# KiCad board CPU.kicad_pcb (continued)
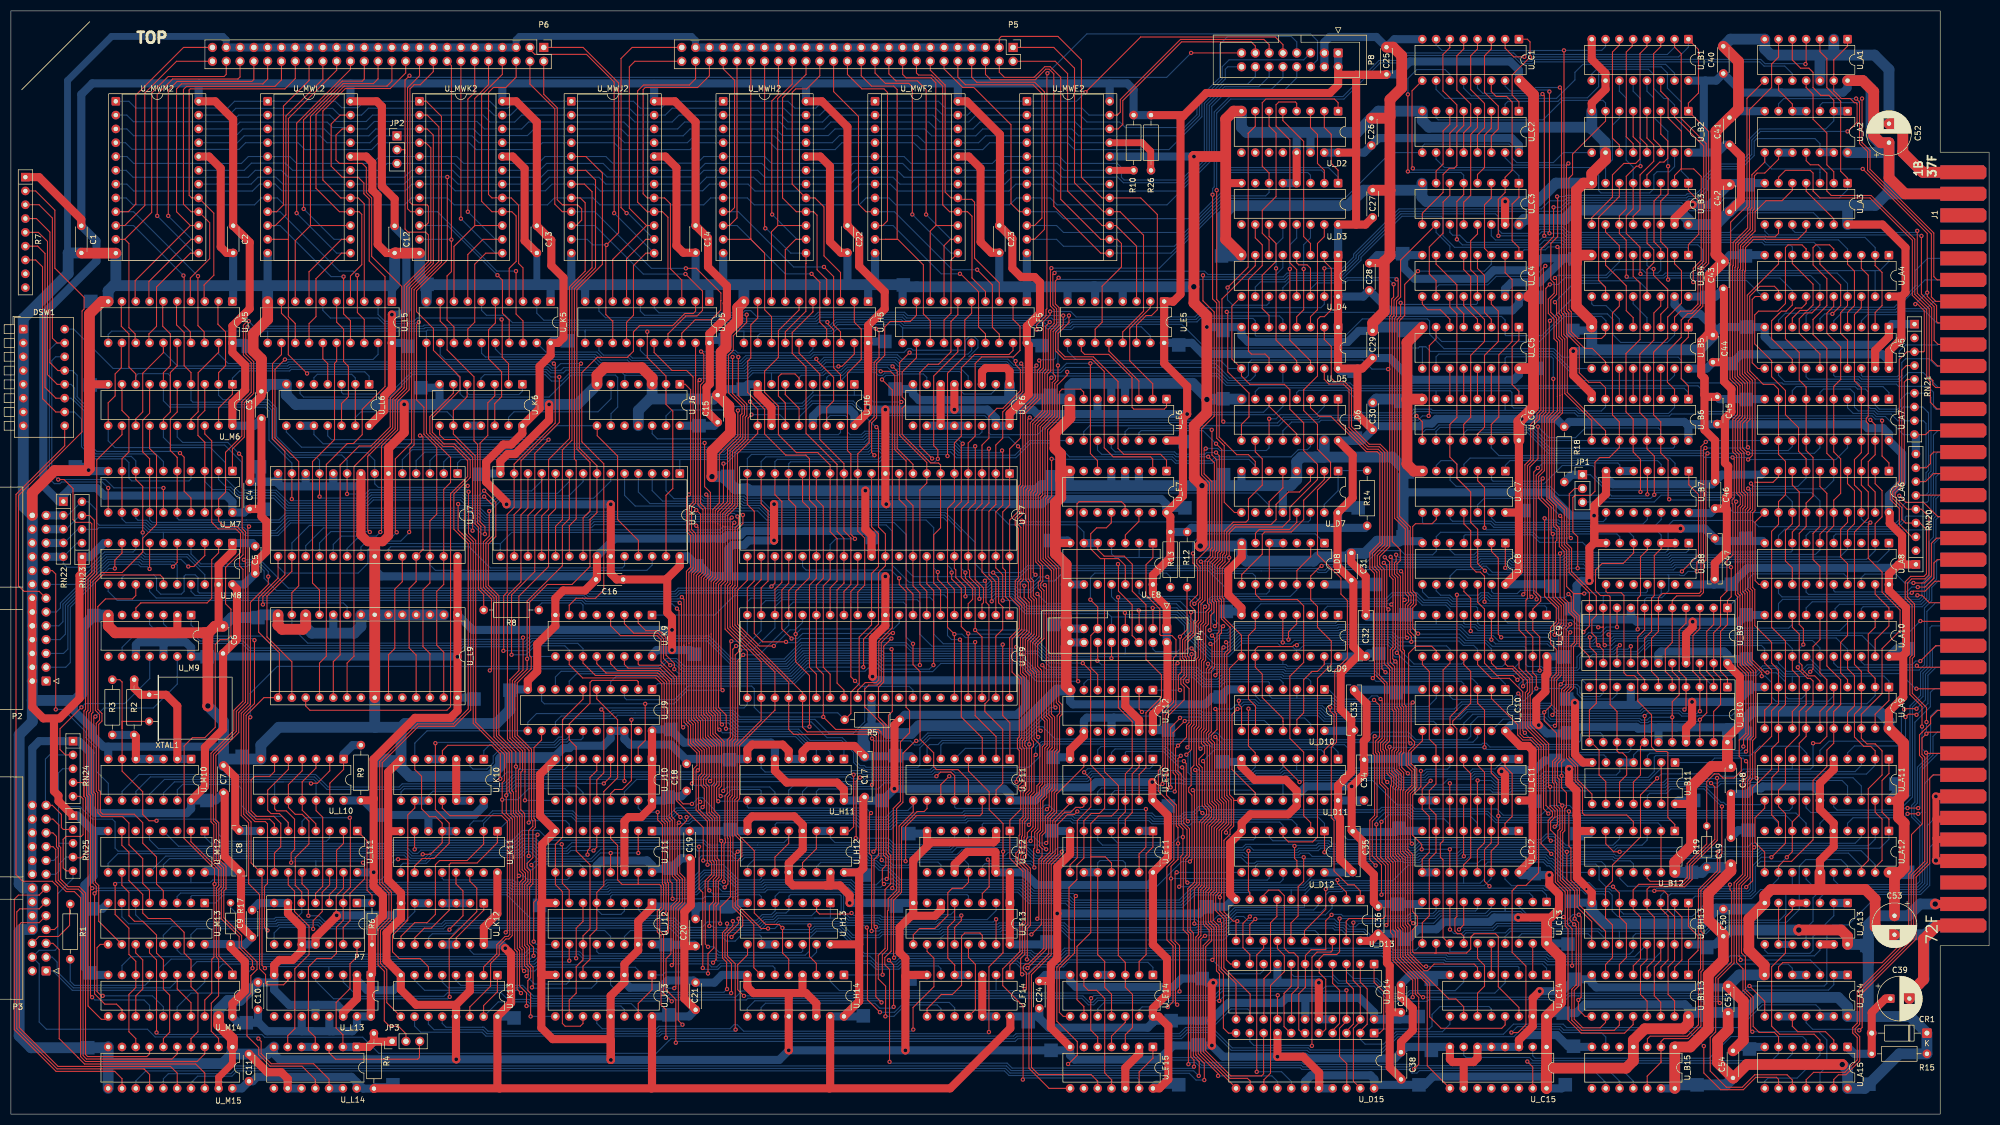
[diagram p0: board, top side]
## Routing (per net, layer and track width the routed paths; a pad name or vN(x,y) marks a point on that pad's centre or on a via; arc(x,y) is an arc through that point) (continued)
/~{Reg_OE}: length 130.9
  Top w0.2: U_D4.2 241.67,156.91 242.95,155.63 242.95,148.01 241.68,146.74 240.92,146.74 240.41,146.23 240.41,135.81 237.87,133.27 237.87,129.46 240.41,126.92 240.41,122.35 242.82,119.94 242.82,117.26 240.41,114.85 240.41,102.95 244.73,98.63 244.73,95.68 245.91,94.5 245.91,83.95 243.59,81.62 243.59,74 243.92,73.67 243.92,68.45 242.95,67.49 242.95,54.53 243.46,54.03 243.46,44.76 246.03,42.19 247.17,42.19 248.29,41.07 248.29,39.93
/~{REGF.WE}: length 142.2
  Top w0.2: v1(245.75,22.79) 245.81,22.73 245.81,17.13 244.48,15.8 244.48,10.59 245.81,9.26 245.81,4.74 ; v1(134.88,21.76) 133.73,22.9 133.73,27.48 135.55,29.3 U_H13.8
  Bottom w0.2: v1(134.88,21.76) 134.89,21.77 197.25,21.77 198.45,20.57 199.07,20.57 199.87,21.37 221.62,21.37 222.87,22.62 245.58,22.62 v1(245.75,22.79)
/~{Reset_{1}}: length 399.6
  Top w0.2: U_J7.15 49.17,98.63 45.6,95.05 45.6,88.69 49.41,84.88 49.41,76.88 ; v1(192.03,154.78) 191.73,154.48 191.73,148.89 192.43,148.19 192.43,145.3 191.33,144.2 191.33,136.73 190.7,136.1 190.7,129.06 188.48,126.84 188.48,114.61 188.12,114.25 188.12,99.65 v1(188.53,99.24) ; 181.28,57.72 181.28,59.66 182.5,60.88 182.5,70.79 179.21,74.08 179.21,75.48 179.96,76.23 179.96,93.65 179.42,94.2 179.42,97.94 v1(179.21,98.14) ; U_L9.15 46.57,76.64 43.29,73.36 43.29,55.43 44.9,53.83 46.81,53.83 47.22,53.42 47.22,42.44 46.66,41.88 46.66,34.37 v1(47.22,33.81)
  Bottom w0.2: 178.91,97.84 165.31,97.84 162.15,101 162.15,107.3 161.04,108.41 134.58,108.41 133.76,107.6 131.28,107.6 130.72,107.03 92.14,107.03 90.06,104.95 ; 178.91,97.84 179.51,98.44 187.74,98.44 v1(188.53,99.24) ; 178.91,97.84 v1(179.21,98.14) ; U_J7.15 49.17,100.75 50.36,99.55 63.9,99.55 65.7,101.35 65.7,103.84 66.85,104.99 90.02,104.99 90.06,104.95 ; U_M13.15 33.12,33.02 34.22,34.11 46.92,34.11 v1(47.22,33.81) ; v1(192.03,154.78) 192.35,155.1 219.65,155.1 220.25,154.5 232.81,154.5 234.05,155.74 U_D4.5 ; 90.06,104.95 U_K7.15
/~{Reset_{2}}: length 532.6
  Top w0.2: v1(241.68,155.63) 241.67,155.61 U_D4.15 ; v1(186.2,6.35) 186.25,6.41 186.25,19.9 182.5,23.65 182.5,26.73 185.66,29.88 185.66,34.72 186.22,35.29 186.22,44.67 183.82,47.07 U_F12.1 183.82,54.07 185.8,56.06 185.8,59.36 185.41,59.76 185.41,60.43 186,61.03 186,67.09 185.66,67.44 185.66,68.88 186,69.23 186,80.18 185.04,81.15 185.04,85.88 v1(184.97,85.95) 185.04,86.02 185.04,87.61 186.46,89.03 186.46,93.77 185.26,94.97 185.26,97.94 185.85,98.53 185.85,107.98 185.25,108.59 185.25,109.5 185.69,109.95 185.69,109.95 186.3,110.56 186.3,115.13 186.66,115.49 186.66,128.96 189.34,131.63 189.34,136.66 189.97,137.29 189.97,145.79 191.22,147.04 v1(191.22,147.69) ; U_E15.1 210.14,10.29 207.6,7.75 U_E15.13 ; v1(337.95,180.83) 338.02,180.83 339.71,182.52 339.71,185.87 339.47,186.11 339.21,186.11 338.45,186.87 336.81,186.87 335.41,188.27 U_A1.13 335.41,191.44 335.42,191.44 335.42,193.97 335.41,193.98 337.95,196.52 U_A1.1
  Bottom w0.2: v1(191.22,147.69) 191.22,147.69 195,147.69 196.01,146.68 217.87,146.68 219.58,148.39 241.05,148.39 241.67,149.01 U_D4.15 ; v1(184.97,85.95) 184.67,85.65 165.82,85.65 164.71,86.76 145.3,86.76 142.29,83.75 132.72,83.75 128.48,87.99 95.6,87.99 94.52,86.91 82.9,86.91 82.2,86.21 48,86.21 46.26,87.96 35.2,87.96 33.16,89.99 U_M9.1 ; U_E15.13 207.6,6.32 207.27,6.66 186.5,6.66 v1(186.2,6.35) ; v1(337.95,180.83) 321.93,180.83 320.32,179.21 320.32,176.57 318.12,174.37 314.13,174.37 311.75,171.99 311.75,170.32 310.32,168.89 308.63,168.89 308.34,168.6 286.31,168.6 285.77,168.06 283.12,168.06 281.63,166.57 255.4,166.57 247.07,158.23 247.07,157.71 244.99,155.63 v1(241.68,155.63)
/~{ResetFlag}: length 187.6
  Top w0.2: v1(127.31,26.9) 127.31,38.91 127.31,38.91 127.31,40.78 126.63,41.46 v1(126.63,49.2)
  Bottom w0.2: v1(127.31,26.9) 127.56,26.64 130.09,26.64 130.7,27.25 140.2,27.25 140.59,26.86 U_H14.6 ; 8.77,56.57 8.77,62.79 9.53,63.55 RN24.3 ; 8.77,56.57 8.77,49.96 ; 8.77,56.57 12.74,56.57 15.03,54.28 18.67,54.28 19.18,53.77 19.18,48.95 19.74,48.38 69.19,48.38 69.82,49.02 72.93,49.02 73.99,47.97 74.84,47.97 75.44,48.57 93.28,48.57 94.42,49.71 96.23,49.71 97.53,48.4 102.3,48.4 103.15,49.25 126.58,49.25 v1(126.63,49.2) ; 8.77,49.96 8.77,47.55 7.89,46.67 P3.17 ; 8.77,49.96 8.89,49.84 11.43,49.84
/~{Result_LD}: length 121.3
  Top w0.2: v1(221.75,123.36) 222.81,122.3 222.81,103.38 222.51,103.08 222.51,102.02 221.53,101.05 221.53,94.56 221.84,94.26 221.84,90.08 v1(221.54,89.78)
  Bottom w0.2: v1(221.75,123.36) 219.35,125.76 207.96,125.76 207.56,125.36 U_E6.14 ; U_C9.1 282.58,93.19 282.25,93.52 270.46,93.52 270.13,93.85 265.12,93.85 264.4,94.57 260.05,94.57 258.69,95.94 254.13,95.94 253.01,94.81 221.14,94.81 220.93,94.61 220.93,90.39 v1(221.54,89.78)
/~{RIndex_LD}: length 183.5
  Top w0.2: v1(217.76,35.06) 217.76,41.39 218.68,42.31 218.68,53.76 220,55.08 220,55.94 219.2,56.75 219.2,63.78 218.6,64.38 218.6,65.36 219.66,66.41 219.66,67.59 219.05,68.2 219.05,70.46 219.51,70.92 219.51,83.17 219.84,83.5 219.84,89.66 220.33,90.15 220.33,92.28 220.93,92.88 220.93,93.88 220.63,94.18 220.63,101.42 221.6,102.39 221.6,103.45 221.9,103.75 221.9,120.37 221,121.27 221,125.88 v1(220.96,125.92)
  Bottom w0.2: 282.56,38.85 282.56,40.32 281.76,41.13 245.14,41.13 244.96,40.95 242.54,40.95 241.96,40.36 241.94,40.36 241.94,38.01 241.04,37.12 225.56,37.12 224.07,35.63 223.34,35.63 222.62,34.91 217.91,34.91 v1(217.76,35.06) ; U_E6.13 205.02,125.56 205.67,126.22 220.66,126.22 v1(220.96,125.92)
/~{RT_INT}: length 237.1
  Top w0.2: v1(128.52,34.6) 128.53,34.61 128.53,38.36 129.27,39.1 129.27,43.2 129.85,43.78 129.85,46.58 129.51,46.92 129.51,54.46 128.49,55.47 128.49,60.28 127.9,60.87 127.9,61.58 128.5,62.18 128.5,67.41 126.89,69.02 126.89,72.3 126.12,73.07 126.12,87.22 126.12,87.23 126.12,99.13 126.89,99.9 126.89,110.4 126.16,111.13 v1(126.11,111.13) ; 181.28,31.23 181.28,35.86 v1(181.28,35.87)
  Bottom w0.2: 147.9,36.06 150.79,36.06 U_H13.1 ; 147.9,36.06 153.08,36.06 153.94,35.21 159.44,35.21 159.77,34.89 170.36,34.89 170.82,35.34 180.76,35.34 v1(181.28,35.87) ; 147.9,36.06 141.19,36.06 140.49,35.36 138.82,35.36 137.77,34.31 129.32,34.31 129.03,34.6 v1(128.52,34.6) ; v1(126.11,111.13) 125.81,110.83 106.54,110.83 105.92,110.21 87.66,110.21 86.82,111.05 86.82,111.05 86.36,111.51 50.84,111.51 48.5,113.85 41.95,113.85 40.43,115.37 39.63,115.37 38.23,116.77 U_M7.2
/~{RTC_INT_Reset}: length 66.8
  Top w0.2: U_M13.10 16.16,35.49 16.16,42.07 15.55,42.68 15.55,58.96 15.26,59.26 15.26,72.86 v1(15.56,73.16)
  Bottom w0.2: v1(15.56,73.16) 17.12,74.73 26.22,74.73 30.62,79.14 U_M9.13
/~{SEL_H_{L0}H_{L4}}: length 42.4
  Top w0.2: U_D4.13 236.59,155.39 235.33,156.64 235.33,179.25 232.79,181.79 232.79,185.72 233.3,186.23 236.35,186.23 236.59,185.99 U_D2.4
/~{SEL_H_{L1}H_{L5}}: length 28.6
  Top w0.2: U_D4.3 239.13,160.18 239.14,160.2 237.87,161.47 237.87,178.99 234.05,182.82 U_D2.5
/~{SEL_H_{L2}H_{L6}}: length 28.6
  Top w0.2: U_D2.6 231.51,181.8 232.79,180.52 232.79,168.83 230.25,166.29 230.25,162.1 231.51,160.84 U_D4.6
/~{SEL_H_{L3}H_{L7}}: length 46.2
  Top w0.2: v1(223.88,152.09) 227.66,155.88 227.66,180.47 228.97,181.77 U_D2.7
  Bottom w0.2: U_D4.11 231.51,149.26 231.09,148.84 224.85,148.84 223.85,149.83 223.85,152.07 v1(223.88,152.09)
/~{SEL_H_{L8}}: length 19.9
  Top w0.2: U_D3.15 241.67,161.45 240.41,160.2 240.41,148.01 239.13,146.72 U_D5.3
/~{SEL_H_{L9}}: length 19.9
  Top w0.2: U_D5.4 236.59,146.72 237.87,148.01 v1(237.87,155.51)
  Bottom w0.2: v1(237.87,155.51) 237.87,159.97 239.13,161.23 U_D3.14
/~{SEL_H_{L10}}: length 28.6
  Top w0.2: v1(235.33,155.51) 235.33,142.42 239.13,138.62 U_D5.14
  Bottom w0.2: v1(235.33,155.51) 235.33,159.94 236.59,161.2 U_D3.13
/~{SEL_H_{L11}}: length 28.6
  Top w0.2: v1(232.79,155.63) 232.79,142.42 236.59,138.62 U_D5.13
  Bottom w0.2: U_D3.12 234.05,161.23 232.79,159.97 v1(232.79,155.63)
/~{SEL_H_{L12}}: length 21
  Top w0.2: U_D3.11 231.51,161.48 232.79,160.2 232.79,156.9 230.25,154.36 230.25,148.23 231.51,146.97 U_D5.6
/~{SEL_H_{L13}}: length 31.1
  Top w0.2: U_D3.10 228.97,161.23 230.25,159.94 230.25,156.13 227.71,153.59 227.71,140.39 228.25,139.85 230.79,139.85 231.51,139.13 U_D5.11
/~{SenseSW_OE}: length 326.4
  Top w0.2: U_M14.1 40.77,26.6 38.27,29.09 38.27,41.44 38.68,41.84 38.68,45.21 37.34,46.55 37.34,53.26 36.81,53.79 36.81,66.39 41.02,70.6 41.02,74.3 42.71,75.99 42.71,100.24 42.09,100.86 42.09,102.3 42.71,102.92 42.71,107.01 41.59,108.13 39.25,108.13 38.23,109.15 U_M7.19 38.23,113.17 39.5,114.45 39.5,121.77 42.5,124.77 42.5,131.08 44.23,132.81 44.23,138.25 42.77,139.71 42.77,145.16 43.51,145.9 v1(43.75,145.9)
  Bottom w0.2: v1(43.75,145.9) 44.67,144.98 75.84,144.98 76.04,145.17 134.12,145.17 134.32,144.98 150.56,144.98 151.76,146.18 163.87,146.18 164.48,145.57 190.24,145.57 190.83,144.98 191.92,144.98 192.67,145.73 194.57,145.73 195.07,146.23 218.06,146.23 218.7,146.86 233.43,146.86 234.05,146.24 U_D5.5
/~{Swap_OE}: length 155.5
  Top w0.2: U_C12.2 274.92,53.48 276.23,54.79 276.23,62.66 274.92,63.97 U_C11.2 ; v1(254.96,153.6) 255.26,153.3 255.26,150.54 254.51,149.78 254.51,146.95 254.16,146.61 254.16,105.36 255.65,103.88 255.65,101.84 255.04,101.24 255.04,99.59 255.67,98.96 255.67,85.35 255.96,85.06 255.96,75.19 256.28,74.87 256.28,66.54 255.92,66.18 255.92,63.81 v1(257.03,62.7)
  Bottom w0.2: U_C11.2 273.09,63.51 268.96,63.51 268.46,63.01 260.56,63.01 259.95,62.4 257.33,62.4 v1(257.03,62.7) ; U_D4.12 234.05,152.06 235.39,153.39 245.32,153.39 245.83,153.9 254.66,153.9 v1(254.96,153.6)
  Bottom w1.5: U_C12.2 U_C12.1 ; U_C11.1 U_C11.2
/~{WorkAddr_Count_EN}: length 188.8
  Top w0.2: v1(131.11,119.69) 131.11,112.57 129.62,111.08 129.62,108.79 129.62,108.79 129.62,98.78 128.84,98 128.84,88.35 128.84,88.35 128.84,74.2 129.62,73.42 129.62,70.15 131.23,68.54 131.23,59.64 v1(131.06,59.47)
  Bottom w0.2: U_H11.11 140.59,59.24 139.63,60.19 131.79,60.19 v1(131.06,59.47) ; U_D6.14 239.13,122.88 239.14,122.86 238.53,122.25 236.87,122.25 235.57,120.94 221.6,120.94 220.87,120.22 214.47,120.22 213.74,120.94 194.78,120.94 192.25,123.47 187.62,123.47 184.92,120.78 173.97,120.78 172.9,121.84 160.53,121.84 159.89,122.48 158.81,122.48 ; v1(131.11,119.69) 131.63,119.69 133.78,121.84 157.78,121.84 158.43,122.48 158.81,122.48 ; 158.81,122.48 158.58,122.48 158.56,122.47
/~{WorkAddr_LD_HI}: length 243
  Top w0.2: v1(185.04,61.14) 185.04,61.78 185.55,62.29 185.55,66.91 185.2,67.25 185.2,69.07 185.55,69.41 185.55,80 184.22,81.33 184.22,87.43 186,89.21 186,93.58 184.81,94.78 184.81,98.13 185.4,98.72 185.4,107.79 184.79,108.4 184.79,109.69 185.5,110.4 185.51,110.4 185.85,110.75 185.85,115.32 186.21,115.68 186.21,129.14 188.88,131.82 188.88,136.86 189.46,137.43 189.46,138.42 v1(189.21,138.67)
  Bottom w0.2: 259.72,141.15 259.72,137.21 ; 259.72,141.15 259.77,141.2 260.33,141.2 ; 259.72,141.15 259.66,141.2 259.21,141.2 ; U_B5.9 286.92,137.19 283.76,140.35 261.18,140.35 260.33,141.2 ; v1(189.21,138.67) 189.34,138.8 191.89,138.8 192.21,139.12 192.21,144.07 192.29,144.07 193.05,144.82 194.95,144.82 195.44,145.32 215.45,145.32 219.8,140.97 258.98,140.97 259.21,141.2 ; U_H11.12 143.13,59.61 144.26,60.74 156.84,60.74 157.52,61.43 184.75,61.43 v1(185.04,61.14) ; 260.33,141.2 259.21,141.2
/~{WorkAddr_LD_LO}: length 347.1
  Top w0.2: v1(186.58,47.31) 186.89,47.62 186.89,49.95 186.88,49.96 186.88,50.72 187.02,50.87 187.02,51.79 188.07,52.84 188.07,58.4 188.78,59.11 188.78,60.41 189.33,60.95 189.33,68.03 188.27,69.08 188.27,81.13 187.57,81.83 187.57,86.92 188.73,88.09 188.73,94.79 188.13,95.39 188.13,98.18 187.67,98.65 187.67,114.44 188.02,114.8 188.02,127.03 190.25,129.25 190.25,136.29 190.87,136.91 190.87,144.39 191.97,145.49 191.97,148 191.27,148.7 191.27,155.48 v1(191.46,155.66)
  Bottom w0.2: v1(186.58,47.31) 186.31,47.04 181.59,47.04 180.48,48.16 175.25,48.16 174.39,47.29 161.68,47.29 161.02,47.96 159.67,47.96 159.25,47.55 158.26,47.55 157.66,48.15 134.65,48.15 134.05,47.55 133.36,47.55 132.46,48.45 126.32,48.45 125.96,48.8 108.57,48.8 106.72,46.95 96.92,46.95 95.57,48.3 94.95,48.3 93.86,47.21 77.53,47.21 76.47,46.15 72.14,46.15 71.74,45.76 U_K11.9 ; v1(191.46,155.66) 211.34,155.66 224.19,168.51 245.46,168.51 253.87,176.93 259.7,176.93 259.7,178.09 260.1,178.49 275.68,178.49 276.23,177.94 276.23,175.95 277.09,175.08 283.82,175.08 285.66,176.93 290.88,176.93
Address.A_{0}: length 75.5
  Top w0.2: 307.34,173.91 307.37,173.94 307.37,180.87 304.93,183.31 304.93,186.87 303.58,188.22 U_B1.14 ; 322.09,150.44 320.95,150.44 320.41,149.89 320.41,138.24 321.46,137.19 U_A5.11 ; U_B3.2 306.12,172.72 307.32,173.91 309.64,173.91 311.02,172.53 311.02,157.1 309.55,155.63 v1(309.55,153.09)
  Bottom w0.2: v1(309.55,153.09) 309.85,153.39 319.35,153.39 322.21,150.54
Address.A_{1}: length 81.4
  Top w0.2: v1(304.93,174.42) 304.93,169.34 303.58,167.99 U_B3.14 303.58,160.53 304.84,159.28 304.84,153.64 v1(304.93,153.55) ; U_A5.13 327.79,138.87 323.98,142.67 323.98,145.97 325.3,147.3 325.31,147.3 325.77,147.75 326.65,147.75 327.79,148.89 U_A4.13
  Bottom w0.2: U_B1.13 301.04,188.22 302.26,187 302.26,183.44 304.88,180.82 304.88,174.47 v1(304.93,174.42) ; v1(304.93,153.55) 304.93,153.59 305.18,153.85 325.5,153.85 327.79,151.57 U_A4.13
Address.A_{2}: length 95.2
  Top w0.2: v1(299.85,174.42) 299.09,174.42 297.23,172.56 297.23,166.55 295.96,165.28 U_B3.11 295.96,162.06 297.22,160.79 297.22,154.18 v1(297.31,154.09) ; 332.87,150.55 332.87,148.89 331.4,147.43 330.14,147.43 329.06,146.35 329.06,143.68 332.87,139.87 U_A5.15
  Bottom w0.2: v1(297.31,154.09) 297.55,153.85 304.16,153.85 304.62,154.3 331.15,154.3 332.87,152.58 U_A4.15 ; v1(299.85,174.42) 299.8,174.47 299.8,186.92 298.5,188.22 U_B1.12
Address.A_{3}: length 94.1
  Top w0.2: U_A4.17 337.94,148.76 336.68,147.5 336.68,143.69 337.94,142.42 U_A5.17 ; 297.31,161.98 299.76,159.53 299.76,154.69 v1(299.85,154.6) ; U_B3.5 298.5,166.55 297.23,165.28 297.23,161.98
  Bottom w0.2: U_B1.11 295.96,188.22 297.21,186.97 297.21,175.54 298.5,174.25 U_B3.5 ; U_A4.17 337.94,152.84 336.03,154.76 304.43,154.76 303.98,154.3 300.15,154.3 v1(299.85,154.6)
Address.A_{4}: length 119.2
  Top w0.2: U_A4.2 343.02,156.13 343.04,156.13 344.3,154.86 344.3,148.78 343.02,147.5 U_A5.2 ; U_C1.14 272.4,188.16 273.31,187.25 275.21,187.25 276.23,186.23 276.23,173.66 274.94,172.37 U_C3.2 274.94,169.58 273.69,168.33 273.69,161.63 v1(273.71,161.61)
  Bottom w0.2: 343.04,158.16 343.04,159.44 341.16,161.32 323.23,161.32 322.78,161.78 286.42,161.78 285.37,162.83 281.4,162.83 280.18,161.61 v1(273.71,161.61)
Address.A_{5}: length 126.7
  Top w0.2: U_A5.4 337.94,147.49 339.22,148.77 339.22,155.12 337.94,156.39 U_A4.4 ; v1(283.09,188.15) 283.1,188.13 v1(283.1,162.08)
  Bottom w0.2: U_C1.13 269.86,188.79 270.84,187.81 280.1,187.81 280.73,188.45 282.79,188.45 v1(283.09,188.15) ; U_C3.14 272.4,161.62 273.16,160.85 280.18,160.85 281.71,162.38 282.8,162.38 v1(283.1,162.08) 285.48,162.08 286.24,161.32 322.59,161.32 323.04,160.87 336.27,160.87 337.96,159.18 337.96,158.16
Address.A_{6}: length 132.8
  Top w0.2: v1(335.16,147.24) 336.68,148.77 336.68,152.58 332.87,156.39 332.87,157.91 ; v1(281.82,187.69) 282.15,187.36 v1(282.15,161.62)
  Bottom w0.2: U_C1.12 267.32,188.79 268.75,187.36 281.49,187.36 v1(281.82,187.69) ; 332.88,158.16 332.88,159.3 331.76,160.41 322.85,160.41 322.4,160.87 286.05,160.87 285.66,161.25 282.52,161.25 v1(282.15,161.62) 280.93,160.4 267.9,160.4 266.58,161.72 265.31,161.72 264.78,162.25 U_C3.11 ; v1(335.16,147.24) 333.76,147.24 332.87,146.35 U_A5.6
Address.A_{7}: length 131.6
  Top w0.2: U_C3.5 267.32,169.19 266.07,167.94 v1(266.07,160.96) ; v1(257.05,187.63) v1(257.05,173.45) ; U_A4.8 327.79,156.52 331.6,152.7 331.6,148.89 330.58,147.88 329.19,147.88 327.79,146.47 U_A5.8
  Bottom w0.2: U_C1.11 264.78,191.33 263.91,192.2 258.7,192.2 257.05,190.55 v1(257.05,187.63) ; v1(257.05,173.45) 257.24,173.27 266.82,173.27 267.32,172.77 U_C3.5 ; 327.8,158.16 327.8,159.55 327.39,159.96 322.67,159.96 322.21,160.41 285.86,160.41 285.47,160.8 282.18,160.8 281.33,159.94 267.08,159.94 v1(266.07,160.96)
Address.A_{8}: length 161
  Top w0.2: v1(279.79,95.18) 279.49,95.48 279.49,119.1 280.99,120.6 280.99,126.47 v1(280.95,126.51) ; U_A8.11 321.65,97.46 320.95,98.16 320.95,108.94 U_A6.11 ; v1(305.12,113.13) 304.93,113.33 304.93,120.32 303.58,121.67 U_B6.14 303.58,127.35 302.26,128.67 302.26,140.21 304.85,142.8 304.85,146.66 307.39,149.2 307.39,155.2 306.12,156.47 U_B4.2
  Bottom w0.2: v1(279.79,95.18) 279.49,94.88 272.25,94.88 271.65,95.48 270.65,95.48 269.97,94.8 265.45,94.8 264.78,95.48 263.07,95.48 262.26,96.29 262.26,97.44 ; U_B6.14 303.58,125.84 303.15,126.26 289.69,126.26 287.88,124.46 283.01,124.46 v1(280.95,126.51) ; v1(305.12,113.13) 305.26,113 314.67,113 316.96,110.7 U_A6.11
Address.A_{9}: length 122.6
  Top w0.2: v1(302.39,113.97) 302.39,121.08 301.04,122.43 U_B6.13 301.04,127.77 299.72,129.08 299.72,139.83 302.31,142.42 302.31,147.42 303.58,148.69 U_B4.14 ; 327.79,110.91 327.79,108.63 326.52,107.37 326.52,101.78 327.79,100.51 327.79,97.45
  Bottom w0.2: U_C7.5 264.82,116.64 265.94,115.52 283.19,115.52 284.83,113.87 293.54,113.87 294.12,113.29 301.71,113.29 v1(302.39,113.97) 302.76,114.34 311.54,114.34 311.97,113.91 326.58,113.91 327.79,112.7 327.79,110.91
Address.A_{10}: length 143.2
  Top w0.2: U_B4.5 298.5,154.18 299.77,152.91 299.77,142.55 297.18,139.95 297.18,129.21 298.5,127.89 U_B6.12 298.5,121.82 299.85,120.47 v1(299.85,114.5) ; 332.87,110.91 332.87,108.12 331.6,106.86 331.6,102.03 332.87,100.77 332.87,97.45
  Bottom w0.2: U_C7.6 262.28,119.37 263.15,120.24 265.38,120.24 266.07,119.56 266.07,116.97 267.06,115.97 282.09,115.97 285.47,119.35 291.07,119.35 291.42,119 291.42,117.51 294.13,114.8 299.55,114.8 v1(299.85,114.5) 300.15,114.8 311.72,114.8 312.16,114.36 331.34,114.36 332.87,112.83 332.87,110.91
Address.A_{11}: length 169.5
  Top w0.2: 337.94,110.91 337.94,108.89 336.68,107.62 336.68,102.54 337.94,101.28 337.94,97.45 ; v1(288.29,100.45) 288.29,106.22 287.4,107.11 287.4,113.46 287.79,113.84 290.71,113.84 291.47,114.61 291.47,119.94 292.36,120.83 294.13,120.83 295.96,122.65 U_B6.11 295.96,127.39 294.69,128.66 294.69,147.42 295.96,148.69 U_B4.11 ; U_C8.1 274.98,100.53 v1(274.96,100.51) ; v1(316.5,100.64) 316.55,100.59 316.55,95.21 315.85,94.51 U_B9.1 315.85,90.09 314.58,88.82 314.58,81.46 315.85,80.19 U_B10.1
  Bottom w0.2: U_A8.17 337.94,98.74 337.27,99.41 320.59,99.41 319.66,98.48 319.66,96.95 U_B9.1 ; v1(274.96,100.51) 275.32,100.15 286.31,100.15 286.61,100.45 v1(288.29,100.45) 289.45,100.45 289.75,100.15 305.91,100.15 306.38,100.62 316.48,100.62 v1(316.5,100.64)
Address.A_{12}: length 214.8
  Top w0.2: U_C4.2 274.94,154.84 276.23,153.55 276.23,142.16 273.78,139.72 273.78,128.29 272.4,126.9 U_C6.14 ; U_B10.21 313.31,74.09 314.58,75.36 314.58,80.19 313.31,81.46 313.31,88.57 314.58,89.84 314.58,95.07 315.75,96.24 315.75,101.8 316.85,102.9 316.85,112.24 316.7,112.39 316.7,113.01 317.09,113.4 317.09,120.53 v1(316.79,120.83) ; v1(319.66,120.45) 320.42,121.21 320.42,135.02 319.05,136.4 319.05,155.04 319.17,155.17 319.17,159.45 320.68,160.96 328.81,160.96 330.33,162.48 330.33,163.24
  Bottom w0.2: U_C6.14 272.4,122.58 273.81,121.16 311.32,121.16 311.66,120.83 v1(316.79,120.83) 319.28,120.83 v1(319.66,120.45) 335.79,120.45 337.95,122.61 337.95,124.11
Address.A_{13}: length 201.8
  Top w0.2: U_C4.14 272.4,149.04 273.69,147.75 273.69,142.16 271.15,139.62 271.15,126.42 269.86,125.13 U_C6.13 ; U_B10.5 305.69,80.19 304.42,81.46 304.42,85.52 305.69,86.79 305.69,94.54 306.51,95.35 310.83,95.35 311.43,95.96 311.43,101.47 311.88,101.92 311.88,121.28 v1(312.18,121.58) ; 327.8,170.62 327.8,169.98 325.88,168.07 322.96,168.07 320.93,166.04 320.93,162.48 320.32,161.87 320.3,161.87 318.26,159.83 318.26,155.54 318.14,155.42 318.14,136.02 319.52,134.65 319.52,127.98 318.65,127.11 318.65,122.61 319.66,121.59 v1(319.66,121.59)
  Bottom w0.2: 332.87,124.12 332.87,122.6 331.85,121.59 v1(319.66,121.59) 312.19,121.59 v1(312.18,121.58) 312.14,121.62 282.85,121.62 279.02,125.45 270.18,125.45 269.86,125.13 U_C6.13
Address.A_{14}: length 202.6
  Top w0.2: v1(311.8,122.57) 311.43,122.19 311.43,102.11 310.98,101.66 310.98,96.15 310.64,95.81 303.91,95.81 303.15,95.05 303.15,88.82 301.88,87.55 301.88,81.46 303.15,80.19 U_B10.6 ; U_C6.12 267.32,126.9 268.61,128.19 268.61,139.62 271.15,142.16 271.15,146.23 268.61,148.77 268.61,154.1 267.32,155.39 U_C4.5 ; U_A3.9 325.25,162.05 324.62,161.41 320.49,161.41 318.71,159.64 318.71,155.35 318.59,155.23 318.59,136.21 319.97,134.83 319.97,127.79 319.44,127.27 319.44,122.88 v1(319.62,122.7)
  Bottom w0.2: U_C6.12 267.32,125.28 267.94,125.9 279.21,125.9 283.04,122.07 311.3,122.07 v1(311.8,122.57) 319.5,122.57 v1(319.62,122.7) 320.22,122.1 327.03,122.1 327.79,122.86 327.79,124.12
Address.A_{15}: length 154.8
  Top w0.2: U_B9.7 300.61,89.08 299.34,87.81 299.34,81.2 300.61,79.93 U_B10.7 ; v1(310.22,99.86) 310.22,101.55 310.97,102.3 310.97,122.81 v1(311.86,123.69) ; v1(271.21,99.99) 269.9,101.31 U_C8.3 269.9,107.6 268.61,108.89 268.61,114.48 266.07,117.02 266.07,119.61 264.78,120.9 U_C6.11 264.78,126.9 266.07,128.19 266.07,147.24 264.78,148.53 U_C4.11
  Bottom w0.2: v1(310.22,99.86) 308.6,99.86 307.85,99.11 307.16,99.11 307.03,99.24 304.8,99.24 ; v1(311.86,123.69) 312.11,123.94 U_A7.11 ; U_B9.7 300.61,94.67 300.97,95.03 303.77,95.03 305.05,96.31 305.05,99.24 271.97,99.24 v1(271.21,99.99)
DataF.D_{0}: length 406.2
  Top w0.2: U_F9.36 v1(173.61,88.32) 172.34,89.59 172.34,96.57 170.56,98.36 v1(170.56,99.75) ; U_C9.3 277.5,89.08 278.77,87.81 278.77,81.65 279.93,80.49 279.93,77.42 279.56,77.05 279.56,71.54 282.95,68.15 282.95,60.51 v1(283.22,60.24) 283.22,56.69 284.1,55.8 284.1,54.66 283.31,53.86 283.31,52.28 284.18,51.4 284.18,42.69 285.99,40.88 285.99,35.99 ; P4.12 199.98,83.49 v1(199.92,83.43) ; U_BL13.12 298.5,16.48 296.93,14.91 288.93,14.91 286.51,17.33 286.51,27.8 286.51,27.8 286.51,34.09 285.99,34.61 285.99,35.99 ; 285.99,35.99 285.99,36.18 285.67,36.5 ; v1(214.67,82.97) 214.37,82.67 214.37,75.36 212.42,73.41 212.42,63.75 211.84,63.17 211.84,60.79 v1(211.89,60.75)
  Bottom w0.2: U_K7.5 112.92,113.85 114.89,111.89 126.43,111.89 126.88,111.43 133.97,111.43 134.41,111 137.4,111 139.08,109.32 168.39,109.32 169.8,107.91 169.8,100.5 v1(170.56,99.75) ; v1(214.67,82.97) 214.37,82.67 200.67,82.67 199.62,83.73 191.04,83.73 187.09,87.68 175.64,87.68 175,88.32 v1(173.61,88.32) ; 234.06,60.74 234.06,57.74 ; 234.06,60.74 234.06,60.76 235.17,61.86 253.66,61.86 255.39,60.13 272.37,60.13 272.82,59.69 275.7,59.69 275.96,59.94 282.3,59.94 282.6,60.24 v1(283.22,60.24) 283.33,60.13 287.32,60.13 287.32,60.13 304.44,60.13 305.06,60.75 311.92,60.75 312.52,60.15 313.99,60.15 314.64,60.81 319.83,60.81 320.06,61.04 321.54,61.04 321.89,61.39 336.93,61.39 337.95,60.38 337.95,58.6 337.94,58.59 U_A11.17 ; 234.06,60.74 215.65,60.74 215.51,60.88 212.02,60.88 v1(211.89,60.75) ; 277.49,38.86 277.49,38.21 279.46,36.25 285.66,36.25 v1(285.69,36.28)
DataF.D_{1}: length 414.6
  Top w0.2: 264.78,38.85 264.78,33.99 v1(264.8,33.97) ; P4.10 202.52,83.9 v1(202.5,83.88) ; U_F9.37 176.15,88.43 v1(176.15,88.43) 174.88,89.7 174.88,96.7 173.1,98.48 v1(173.1,99.65) ; U_BL13.11 295.96,16.35 295.02,15.42 289.06,15.42 287.2,17.28 287.2,22.97 288.02,23.78 288.02,34.55 v1(287.66,34.91) 286.9,35.68 286.9,41.26 285.09,43.06 285.09,51.96 285.47,52.34 285.47,56.37 285.25,56.58 v1(285.47,56.79) 284.88,57.38 284.88,61.63 284.58,61.93 284.58,64.53 285.32,65.27 285.32,78.11 286.17,78.96 286.17,89.21 286.93,89.96 v1(286.93,90.16) ; v1(216.48,67.49) 216.78,67.79 216.78,71.4 217.24,71.86 217.24,84.62 v1(217.25,84.63) ; v1(237.12,61.11) 234.05,64.18 U_D11.5
  Bottom w0.2: U_K7.4 115.46,114.47 117.59,112.34 126.61,112.34 127.07,111.89 134.16,111.89 134.52,111.53 137.65,111.53 139.4,109.77 171.57,109.77 172.34,109 172.34,101.02 173.1,100.25 v1(173.1,99.65) ; v1(217.25,84.63) 216.8,84.18 191.23,84.18 187.09,88.32 176.27,88.32 v1(176.15,88.43) ; U_C9.4 274.96,90.86 275.47,90.35 286.74,90.35 v1(286.93,90.16) ; v1(264.8,33.97) 265.55,33.22 266.97,33.22 267.57,33.82 272.8,33.82 273.59,34.61 287.36,34.61 v1(287.66,34.91) ; v1(237.12,61.11) 237.42,61.41 250.56,61.41 255.07,56.89 257.61,56.89 258.36,56.15 273.45,56.15 274.6,55 281.52,55 283.31,56.79 v1(285.47,56.79) 286.8,56.79 287.73,55.86 327.23,55.86 327.79,56.41 327.79,57.18 ; v1(216.48,67.49) 217.05,66.92 217.05,63.04 217.53,62.55 228.3,62.55 228.94,63.19 233.45,63.19 234.05,63.79 U_D11.5
DataF.D_{2}: length 419.1
  Top w0.2: v1(217.25,85.69) 217.55,85.39 217.56,85.39 218.02,84.92 218.02,84.25 217.69,83.92 217.69,71.67 217.23,71.21 217.23,67.08 v1(216.29,66.14) ; v1(266.46,33.97) 267.32,34.84 267.32,38.85 ; U_BL13.10 293.42,16.85 292.44,15.87 289.25,15.87 287.66,17.46 287.66,22.78 288.47,23.59 288.47,35.23 v1(287.73,35.96) 287.73,41.06 285.55,43.25 285.55,51.77 285.92,52.15 285.92,56.18 286.22,56.48 286.22,59.15 285.33,60.04 v1(285.33,62.25) 285.33,64.64 285.78,65.08 285.78,77.92 286.63,78.77 286.63,88.35 v1(286.93,88.65) ; v1(175.64,99.65) 175.64,98.61 177.42,96.82 v1(177.42,89.07) 178.69,87.81 178.69,76.59